# Altium PCB adc_brd_raton_v0.PcbDoc (part 5 of 5)
Units mm, origin at the board's own origin, x right, y up, seen from the top; angles counter-clockwise.
Board outline 276.61 x 128.4 mm, 2 copper layers (Top Layer, Bottom Layer); 535 components, 265 nets, 1345 pads, 548 vias.
Unrouted connection lines stored in the file: 67.
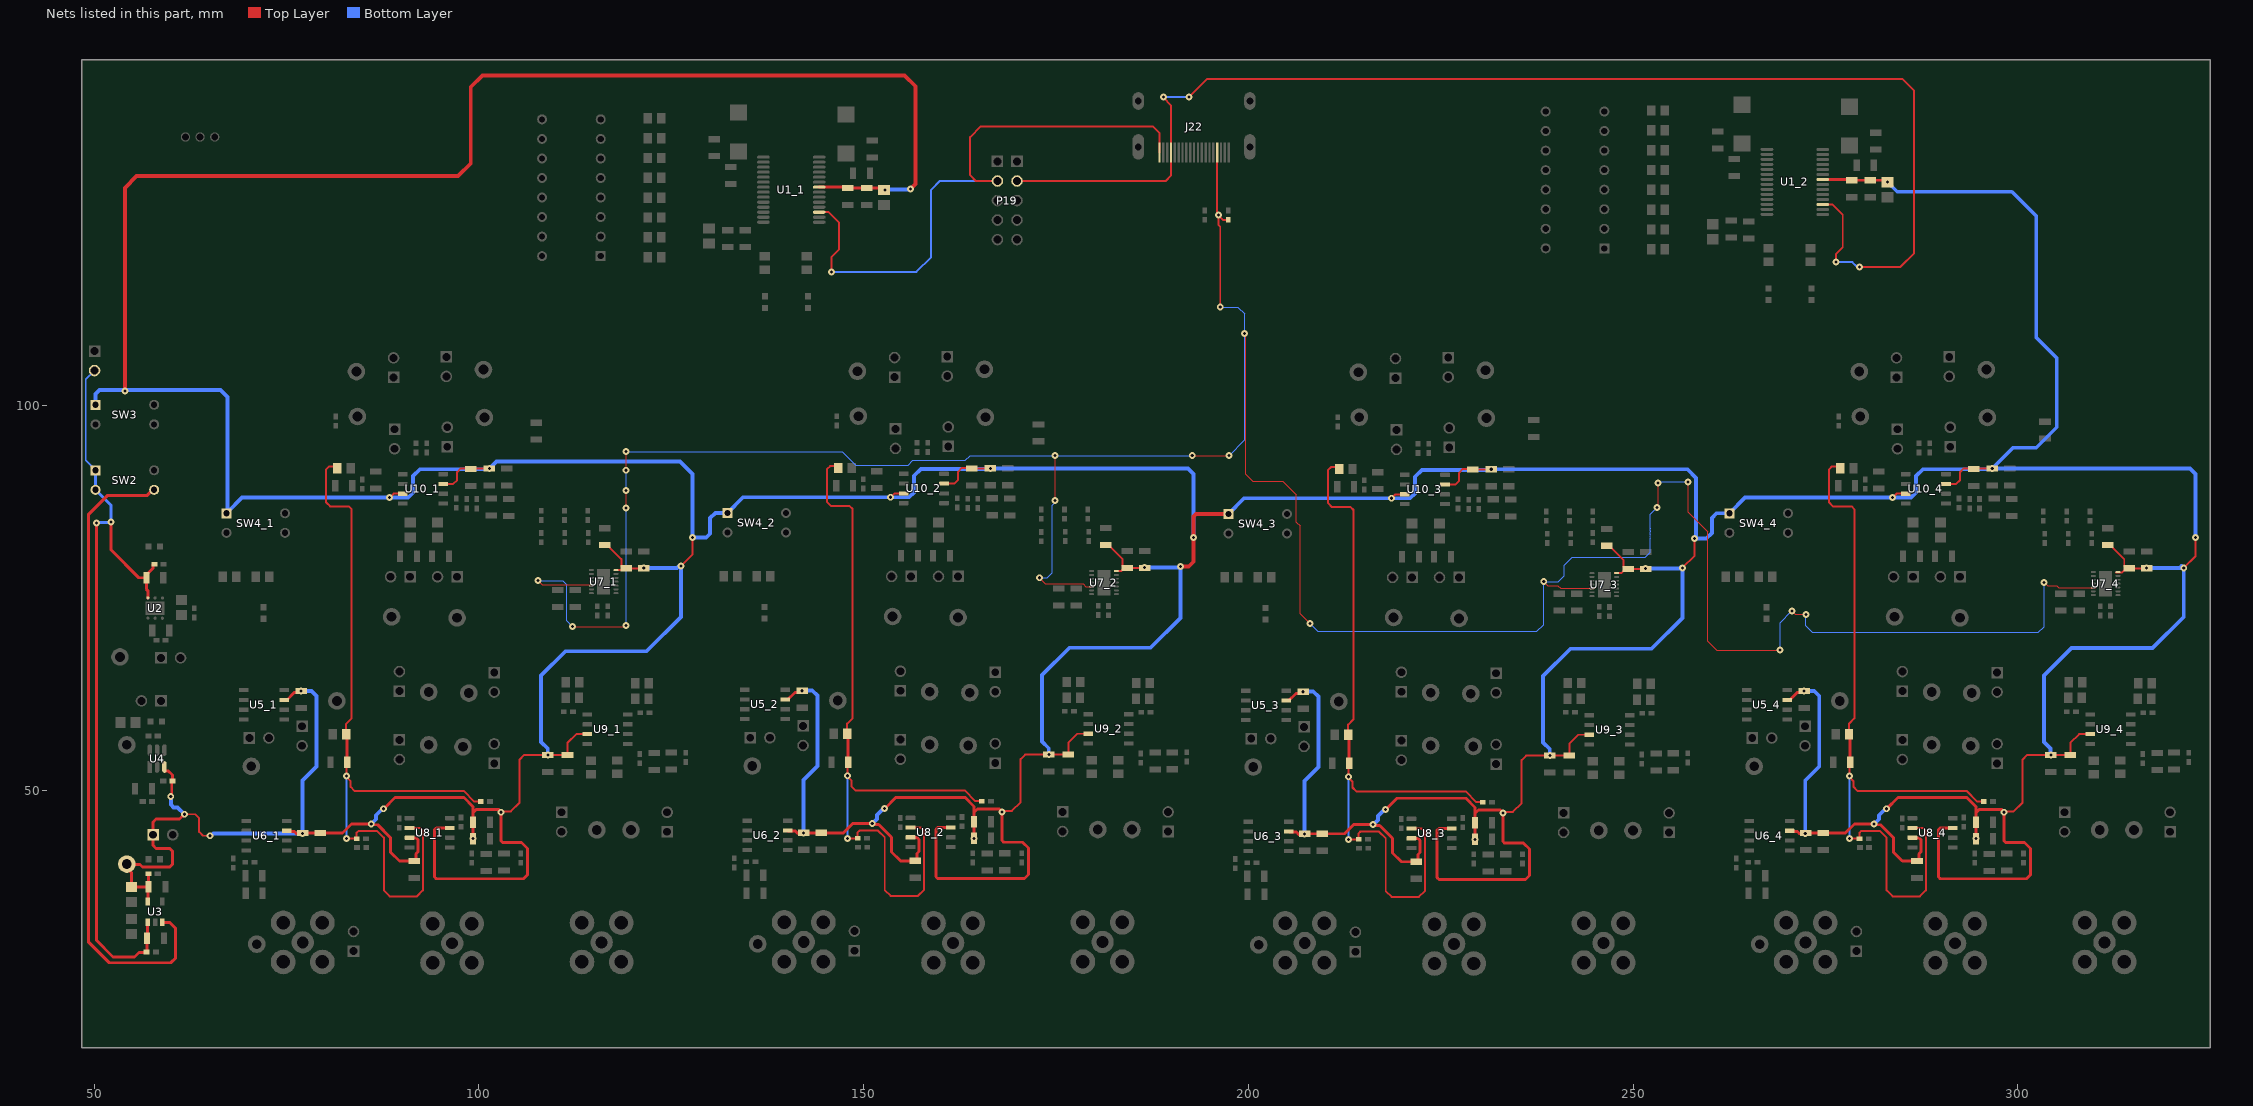
[diagram p5: the nets of this part, all layers, seen from the top]

## Via types
v1: diameter 0.9, hole 0.4, Top Layer to Bottom Layer, tented both sides, 521 vias
v2: diameter 0.9, hole 0.4, Top Layer to Bottom Layer, 23 vias
v3: diameter 6, hole 3.15, Top Layer to Bottom Layer, 4 vias

## Nets (pads, with @x,y where several pads share a name; then routed paths per layer and width w, separated by ;. In a path a pad name is that pad's centre, name@x,y a point inside that pad or via, vN(x,y) a via of type N, cw(c..) or ccw(c..) an arc to the next point about the centre after c; other vN are vias at no path point) (continued)
SDA: J22.16 R82.1 U7_1.5 U7_2.5 U7_3.5 U7_4.5 | length 397.6
  Top Layer w0.152: v1(107.696,77.216) 108.223,76.689 U7_1.5@114.476,76.689 ; v1@112.268,71.12 v1(112.141,71.247) 118.999,71.247 v1(119.126,71.374) v1@119.253,71.501 ; v1(119.126,86.683) v1@119.126,88.9 ; v1(119.126,91.567) v1(119.126,93.98) ; v1(172.847,77.597) 173.609,76.835 178.504,76.835 178.885,76.454 U7_2.5@179.75,76.454 ; v1(174.879,87.63) v1(174.879,93.472) ; v1(192.702,93.472) v1(197.485,93.472) ; v1(199.517,109.347) 199.644,109.22 199.644,91.059 200.533,90.17 204.47,90.17 206.248,88.392 206.248,84.836 206.756,84.328 206.756,72.898 v1(208.026,71.628) ; v1(238.379,77.089) 238.887,76.581 240.218,76.581 240.591,76.208 U7_3.5@244.653,76.208 ; v1(253.111,86.741) 253.238,86.868 v1(253.238,89.916) ; v1(257.154,90.043) 257.154,86.127 259.715,83.566 259.715,69.342 260.858,68.199 v1(269.113,68.199) ; v1(270.637,73.279) 271.082,72.834 v1(272.478,72.834) ; v1(303.403,76.962) 303.489,76.962 303.863,76.588 305.042,76.588 305.303,76.327 U7_4.5@310.102,76.327
  Top Layer w0.254: J22.16@195.937,132.842 195.937,124.854 v1@196.083,124.709 ; v1(196.088,124.714) v1@196.088,124.703 ; v1@196.215,112.649 v1(196.342,112.776) 196.342,123.222 196.088,123.476 v1@196.088,124.703 ; R82.1@197.358,124.114 196.677,124.114 v1@196.088,124.703
  Bottom Layer w0.152: v1(107.696,77.216) 110.871,77.216 111.379,76.708 111.379,72.009 v1(112.141,71.247) ; v1(119.126,71.374) v1(119.126,86.683) ; v1(119.126,91.567) 119.126,88.918 v1(119.135,88.909) ; v1(119.126,93.98) 147.193,93.98 148.971,92.202 155.766,92.202 156.401,92.837 163.195,92.837 163.83,93.472 v1(174.879,93.472) v1(192.702,93.472) ; v1(172.847,77.597) 173.863,77.597 174.498,78.232 174.498,87.051 174.879,87.432 v1(174.879,87.63) ; v1(196.342,112.776) 198.628,112.776 199.517,111.887 v1(199.517,109.347) 199.517,95.504 v1(197.485,93.472) ; v1(208.026,71.628) 209.042,70.612 237.49,70.612 238.379,71.501 v1(238.379,77.089) 240.284,77.089 241.046,77.851 241.046,79.248 242.062,80.264 251.587,80.264 252.222,80.899 252.222,82.706 cw(c252.857,82.946) 252.214,82.729 cw(c252.857,82.946) 252.222,83.185 252.222,83.581 cw(c252.857,83.82) 252.222,84.059 252.222,85.852 v1(253.111,86.741) ; v1(253.238,89.916) 253.365,90.043 v1(257.154,90.043) ; v1(269.113,68.199) 269.113,71.755 v1(270.637,73.279) ; v1@272.542,72.898 v1(272.478,72.834) 272.415,72.771 272.415,71.374 273.304,70.485 302.641,70.485 303.403,71.247 v1(303.403,76.962)
V5: C7_1.1 C7_2.1 C8_1.1 C8_2.1 C9_1.1 C9_2.1 C19.1 C20.1 C21.1 C25_1.1 C25_2.1 C25_3.1 C25_4.1 C31_1.1 C31_2.1 C31_3.1 C31_4.1 C32_1.1 C32_2.1 C32_3.1 C32_4.1 C33_1.1 C33_2.1 C33_3.1 C33_4.1 C34_1.1 C34_2.1 C34_3.1 C34_4.1 C35_1.1 C35_2.1 C35_3.1 C35_4.1 C36_1.1 C36_2.1 C36_3.1 C36_4.1 C39_1.1 C39_2.1 C39_3.1 C39_4.1 C40_1.1 C40_2.1 C40_3.1 C40_4.1 C42_1.1 C42_2.1 C42_3.1 C42_4.1 C43_1.1 C43_2.1 C43_3.1 C43_4.1 C56_1.1 C56_2.1 C56_3.1 C56_4.1 C57_1.2 C57_2.2 C57_3.2 C57_4.2 J1.1 P1.1 R12.2 SW3.1 SW4_1.1 SW4_2.1 SW4_3.1 SW4_4.1 U1_1.22 U1_2.22 U3.5 U4.3 U5_1.7 U5_2.7 U5_3.7 U5_4.7 U6_1.7 U6_2.7 U6_3.7 U6_4.7 U7_1.14 U7_2.14 U7_3.14 U7_4.14 U8_1.3 U8_1.7 U8_2.3 U8_2.7 U8_3.3 U8_3.7 U8_4.3 U8_4.7 U9_1.3 U9_2.3 U9_3.3 U9_4.3 U10_1.3 U10_1.7 U10_2.3 U10_2.7 U10_3.3 U10_3.7 U10_4.3 U10_4.7 | length 1389.9
  Top Layer w0.254: v1(61.722,46.863) 63.119,46.863 63.627,46.355 63.627,44.577 64.135,44.069 v1(65.024,44.069) ; v1(88.392,88.011) 88.9,88.519 U10_1.3@90.085,88.519 ; U10_1.7@95.335,89.789 96.647,89.789 97.155,90.297 97.155,91.313 97.663,91.821 98.847,91.821 C43_1.1@98.933,91.735 98.976,91.778 v1(101.346,91.778) ; v1@102.743,46.99 102.997,47.244 104.14,47.244 105.283,48.387 105.283,53.975 105.875,54.567 v1(108.966,54.567) C39_1.1@111.506,54.567 111.506,56.134 112.649,57.277 U9_1.3@114.088,57.277 ; C57_1.2@116.332,81.831 116.682,81.831 118.503,80.01 118.503,79.099 C36_1.1@118.776,78.826 ; U7_1.14@118.003,78.589 118.539,78.589 C36_1.1@118.776,78.826 ; C35_1.1@121.412,78.826 C36_1.1@119.126,78.826 C36_1.1@118.776,78.826 ; v1(126.238,79.121) 127.762,80.645 v1(127.762,82.804) ; v1(153.501,88.054) 154.009,88.562 U10_2.3@155.194,88.562 ; U10_2.7@160.444,89.832 161.756,89.832 162.264,90.34 162.264,91.356 162.772,91.864 163.956,91.864 C43_2.1@164.042,91.778 164.085,91.821 v1(166.455,91.821) ; v1@167.852,47.033 168.106,47.287 169.249,47.287 170.392,48.43 170.392,54.018 170.984,54.61 v1(174.075,54.61) C39_2.1@176.615,54.61 176.615,56.177 177.758,57.32 U9_2.3@179.197,57.32 ; C57_2.2@181.441,81.874 181.791,81.874 183.612,80.053 183.612,79.142 C36_2.1@183.885,78.869 ; U7_2.14@182.637,78.486 183.502,78.486 C36_2.1@183.885,78.869 ; C35_2.1@186.521,78.869 C36_2.1@184.235,78.869 C36_2.1@183.885,78.869 ; v1(218.609,87.927) 219.117,88.435 U10_3.3@220.302,88.435 ; U10_3.7@225.552,89.705 226.864,89.705 227.372,90.213 227.372,91.229 227.88,91.737 229.064,91.737 C43_3.1@229.15,91.651 229.193,91.694 v1(231.563,91.694) ; v1@232.96,46.906 233.214,47.16 234.357,47.16 235.5,48.303 235.5,53.891 236.092,54.483 v1(239.183,54.483) C39_3.1@241.723,54.483 241.723,56.05 242.866,57.193 U9_3.3@244.305,57.193 ; C57_3.2@246.549,81.747 246.899,81.747 248.72,79.926 248.72,79.015 C36_3.1@248.993,78.742 ; U7_3.14@247.643,78.205 248.456,78.205 C36_3.1@248.993,78.742 ; C35_3.1@251.629,78.742 C36_3.1@249.343,78.742 C36_3.1@248.993,78.742 ; v1(256.413,78.867) 257.979,80.433 v1(257.979,82.72) ; v1(283.718,88.011) 284.226,88.519 U10_4.3@285.411,88.519 ; U10_4.7@290.661,89.789 291.973,89.789 292.481,90.297 292.481,91.313 292.989,91.821 294.173,91.821 C43_4.1@294.259,91.735 294.302,91.778 v1(296.672,91.778) ; v1@298.069,46.99 298.323,47.244 299.466,47.244 300.609,48.387 300.609,53.975 301.201,54.567 v1(304.292,54.567) C39_4.1@306.832,54.567 306.832,56.134 307.975,57.277 U9_4.3@309.414,57.277 ; C57_4.2@311.658,81.831 312.008,81.831 313.829,80.01 313.829,79.099 C36_4.1@314.102,78.826 ; U7_4.14@312.752,78.289 313.565,78.289 C36_4.1@314.102,78.826 ; C35_4.1@316.738,78.826 C36_4.1@314.452,78.826 C36_4.1@314.102,78.826 ; v1(321.564,78.867) 323.088,80.391 v1(323.088,82.804)
  Top Layer w0.381: U3.5@56.962,35.513 57.014,35.565 57.014,37.413 56.984,37.383 R12.2@54.864,37.383 54.864,39.236 54.229,39.871 J1.1@54.229,40.386 54.292,40.322 55.944,40.322 56.261,40.005 59.817,40.005 60.198,40.386 60.198,42.037 59.817,42.418 58.039,42.418 57.658,42.799 P1.1@57.658,44.196 57.658,45.847 58.039,46.228 61.087,46.228 v1(61.722,46.863) ; C19.1@57.058,39.116 57.062,39.112 57.062,37.469 C20.1@57.066,37.465 ; U4.3@59.116,53.002 59.116,52.585 59.203,52.498 59.62,52.498 60.163,51.955 C21.1@60.163,51.181 60.071,51.089 60.071,49.416 59.944,49.289 v1(59.944,49.149) ; U5_1.7@74.685,61.722 75.035,61.722 75.968,62.655 76.676,62.655 v1(76.886,62.865) ; U6_1.7@75.015,44.704 75.099,44.619 76.031,44.619 76.327,44.323 77.005,44.323 v1(77.047,44.365) C33_1.1@77.089,44.407 C31_1.1@79.375,44.407 82.253,44.407 83.439,45.593 v1(86.001,45.593) 86.101,45.494 86.84,45.494 88.519,43.815 88.519,41.91 89.662,40.767 C56_1.1@91.567,40.767 91.611,40.767 91.821,40.977 91.821,41.721 92.075,41.975 92.075,43.552 91.852,43.776 91.013,43.776 U8_1.3@90.974,43.815 ; v1(87.595,47.573) 87.645,47.573 89.094,49.022 98.044,49.022 99.23,47.836 99.23,47.033 ; U8_1.7@96.224,45.085 94.457,45.085 94.234,44.862 94.234,38.704 94.457,38.481 105.791,38.481 106.299,38.989 106.299,42.418 105.537,43.18 103.093,43.18 102.87,43.403 v1(102.87,47.117) ; v1(99.23,43.688) C34_1.1@99.23,45.847 99.23,47.033 ; v1@102.743,46.99 102.743,47.275 102.52,47.498 99.695,47.498 99.23,47.033 ; U5_2.7@139.794,61.765 140.144,61.765 141.077,62.698 141.785,62.698 v1(141.995,62.908) ; U6_2.7@140.124,44.747 140.208,44.662 141.139,44.662 141.436,44.366 142.114,44.366 v1(142.156,44.408) C33_2.1@142.198,44.45 C31_2.1@144.484,44.45 147.362,44.45 148.548,45.636 v1(151.11,45.636) 151.209,45.537 151.949,45.537 153.628,43.858 153.628,41.953 154.771,40.81 C56_2.1@156.676,40.81 156.72,40.81 156.93,41.02 156.93,41.764 157.184,42.018 157.184,43.595 156.96,43.819 156.122,43.819 U8_2.3@156.083,43.858 ; U1_1.22@144.214,128.353 147.491,128.353 147.605,128.239 C7_1.1@150.368,128.239 152.402,128.239 C8_1.1@152.654,127.987 ; v1(152.704,47.616) 152.754,47.616 154.203,49.065 163.153,49.065 164.339,47.879 164.339,47.076 ; U8_2.7@161.333,45.128 159.608,45.128 159.385,44.905 159.385,38.747 159.608,38.524 170.9,38.524 171.408,39.032 171.408,42.461 170.646,43.223 168.202,43.223 167.979,43.446 v1(167.979,47.16) ; v1(164.339,43.731) C34_2.1@164.339,45.89 164.339,47.076 ; v1@167.852,47.033 167.852,47.318 167.628,47.541 164.804,47.541 164.339,47.076 ; U5_3.7@204.902,61.638 205.252,61.638 206.186,62.571 206.894,62.571 v1(207.103,62.781) ; U6_3.7@205.232,44.62 205.317,44.535 206.248,44.535 206.544,44.239 207.222,44.239 v1(207.264,44.281) C33_3.1@207.306,44.323 C31_3.1@209.592,44.323 212.47,44.323 213.656,45.509 v1(216.219,45.509) 216.318,45.41 217.058,45.41 218.736,43.731 218.736,41.826 219.879,40.683 C56_3.1@221.784,40.683 221.829,40.683 222.038,40.893 222.038,41.637 222.292,41.891 222.292,43.468 222.069,43.692 221.231,43.692 U8_3.3@221.191,43.731 ; v1(217.813,47.489) 217.863,47.489 219.311,48.938 228.261,48.938 229.447,47.752 229.447,46.949 ; U8_3.7@226.441,45.001 224.759,45.001 224.536,44.778 224.536,38.62 224.759,38.397 236.008,38.397 236.516,38.905 236.516,42.334 235.754,43.096 233.311,43.096 233.087,43.319 v1(233.087,47.033) ; v1(229.447,43.604) C34_3.1@229.447,45.763 229.447,46.949 ; v1@232.96,46.906 232.96,47.191 232.737,47.414 229.912,47.414 229.447,46.949 ; U5_4.7@270.011,61.722 270.361,61.722 271.294,62.655 272.002,62.655 v1(272.212,62.865) ; U6_4.7@270.341,44.704 270.425,44.619 271.356,44.619 271.653,44.323 272.331,44.323 v1(272.373,44.365) C33_4.1@272.415,44.407 C31_4.1@274.701,44.407 277.579,44.407 278.765,45.593 v1(281.327,45.593) 281.427,45.494 282.166,45.494 283.845,43.815 283.845,41.91 284.988,40.767 C56_4.1@286.893,40.767 286.937,40.767 287.147,40.977 287.147,41.721 287.401,41.975 287.401,43.552 287.178,43.776 286.339,43.776 U8_4.3@286.3,43.815 ; U1_2.22@274.643,129.382 C9_2.1@278.384,129.382 ; C9_2.1@278.384,129.255 C7_2.1@280.797,129.255 282.831,129.255 v1(283.083,129.003) ; v1(282.921,47.573) 282.971,47.573 284.42,49.022 293.37,49.022 294.556,47.836 294.556,47.033 ; U8_4.7@291.55,45.085 289.91,45.085 289.687,44.862 289.687,38.704 289.91,38.481 301.117,38.481 301.625,38.989 301.625,42.418 300.863,43.18 298.419,43.18 298.196,43.403 v1(298.196,47.117) ; v1(294.556,43.688) C34_4.1@294.556,45.847 294.556,47.033 ; v1@298.069,46.99 298.069,47.275 297.846,47.498 295.021,47.498 294.556,47.033
  Top Layer w0.508: v1(53.975,101.854) 53.975,128.27 55.499,129.794 97.282,129.794 98.933,131.445 98.933,141.351 100.457,142.875 155.321,142.875 156.718,141.478 156.718,128.778 v1(156.083,128.143) ; v1(191.172,79.048) 192.247,79.048 192.871,79.672 v1(192.871,82.847) 192.871,85.556 193.21,85.895 SW4_3.1@197.4,85.895
  Bottom Layer w0.381: v1@87.451,47.573 v1(87.595,47.573) ; v1@152.56,47.616 v1(152.704,47.616) ; v1@217.669,47.489 v1(217.813,47.489) ; v1@282.777,47.573 v1(282.921,47.573)
  Bottom Layer w0.508: SW3.1@50.165,100.076 50.165,101.473 50.673,101.981 66.421,101.981 67.31,101.092 SW4_1.1@67.31,86.106 ; v1(59.944,49.149) 59.95,49.143 59.95,48.127 60.325,47.752 60.833,47.752 v1(61.722,46.863) ; v1(65.024,44.069) 65.199,44.069 65.495,44.365 v1(77.047,44.365) 77.047,51.266 78.867,53.086 78.867,62.23 78.21,62.887 76.908,62.887 v1(76.886,62.865) ; SW4_1.1@67.183,85.979 SW4_1.1@67.31,86.106 ; v1(86.001,45.593) 86.614,46.206 86.614,46.736 v1@87.451,47.573 ; v1(108.966,54.567) 108.94,54.593 108.94,55.398 108.077,56.261 108.077,64.897 111.226,68.046 121.782,68.046 126.238,72.503 v1(126.238,79.121) ; v1(121.412,78.867) 125.73,78.867 v1@125.966,79.103 ; v1(141.995,62.908) 142.016,62.93 143.319,62.93 143.976,62.273 143.976,53.129 142.156,51.309 v1(142.156,44.408) ; v1(151.11,45.636) 151.723,46.249 151.723,46.779 v1@152.56,47.616 ; v1(152.781,128.016) 152.844,128.079 156.019,128.079 v1(156.083,128.143) ; v1@166.371,91.737 157.438,91.737 156.549,90.848 156.549,88.689 155.914,88.054 v1(153.501,88.054) 134.324,88.054 SW4_2.1@132.292,86.022 130.726,86.022 130.048,85.344 130.048,83.312 129.54,82.804 v1(127.762,82.804) 127.762,91.059 126.111,92.71 102.278,92.71 101.262,91.694 92.329,91.694 91.44,90.805 91.44,88.646 90.805,88.011 v1(88.392,88.011) 69.215,88.011 SW4_1.1@67.31,86.106 ; v1(166.455,91.821) 192.152,91.821 192.871,91.102 v1(192.871,82.847) ; v1(174.075,54.61) 174.049,54.636 174.049,55.441 173.186,56.304 173.186,64.94 176.742,68.496 187.297,68.496 191.172,72.371 v1(191.172,79.048) ; v1(186.521,78.91) 190.839,78.91 v1@191.074,79.146 ; SW4_3.1@197.4,85.895 199.432,87.927 v1(218.609,87.927) 221.022,87.927 221.657,88.562 221.657,90.721 222.546,91.61 v1@231.479,91.61 ; v1(207.103,62.781) 207.125,62.803 208.428,62.803 209.084,62.146 209.084,53.002 207.264,51.182 v1(207.264,44.281) ; v1(216.219,45.509) 216.831,46.122 216.831,46.652 v1@217.669,47.489 ; v1(231.563,91.694) 257.048,91.694 258.191,90.551 258.191,83.038 257.979,82.826 v1(257.979,82.72) 258.191,82.72 259.504,82.72 260.223,83.439 260.223,85.344 260.858,85.979 SW4_4.1@262.509,85.979 264.541,88.011 v1(283.718,88.011) 286.131,88.011 286.766,88.646 286.766,90.805 287.655,91.694 v1@296.588,91.694 ; v1(239.183,54.483) 239.157,54.509 239.157,55.314 238.294,56.177 238.294,64.813 241.85,68.369 252.406,68.369 256.413,72.376 v1(256.413,78.867) ; v1(251.629,78.783) 255.947,78.783 v1@256.183,79.019 ; v1(272.212,62.865) 272.234,62.887 273.536,62.887 274.193,62.23 274.193,53.086 272.373,51.266 v1(272.373,44.365) ; v1(281.327,45.593) 281.94,46.206 281.94,46.736 v1@282.777,47.573 ; v1(283.083,129.003) 284.324,127.762 299.212,127.762 302.387,124.587 302.387,108.839 305.054,106.172 305.054,97.155 302.387,94.488 299.382,94.488 v1(296.672,91.778) 322.369,91.778 323.088,91.059 v1(323.088,82.804) ; v1(304.292,54.567) 304.266,54.593 304.266,55.398 303.403,56.261 303.403,64.897 306.959,68.453 317.514,68.453 321.564,72.503 v1(321.564,78.867) ; v1(316.738,78.867) 321.056,78.867 v1@321.292,79.103
V5_EN: SW2.3 U3.3 | length 84
  Top Layer w0.381: SW2.3@57.785,89.027 57.582,89.027 56.82,88.265 51.689,88.265 49.276,85.852 49.276,30.226 51.943,27.559 59.944,27.559 60.579,28.194 60.579,32.004 59.77,32.813 U3.3@58.862,32.813
VIN: C13.1 C16.1 C17.1 C18.1 P20.2 SW2.1 SW2.2 U2.6 U3.1 | length 104
  Top Layer w0.381: v1(50.292,84.709) 50.292,30.48 52.451,28.321 55.245,28.321 55.832,28.908 56.757,28.908 C17.1@56.804,28.956 56.83,28.981 56.83,30.709 C18.1@56.855,30.734 56.908,30.788 56.908,32.76 U3.1@56.962,32.813 ; v1(52.197,84.836) 52.197,81.197 55.797,77.597 C16.1@56.769,77.597 ; U2.6@56.962,74.981 56.962,75.916 56.769,76.109 C16.1@56.769,77.597 ; C13.1@57.82,79.375 57.72,79.375 57.61,79.266 57.61,78.788 56.769,77.947 C16.1@56.769,77.597
  Bottom Layer w0.254: P20.2@50.038,104.521 48.895,103.378 48.895,92.837 SW2.1@50.165,91.567
  Bottom Layer w0.381: SW2.1@50.165,91.567 SW2.2@50.165,89.027 52.197,86.995 v1(52.197,84.836) 52.133,84.772 50.355,84.772 v1(50.292,84.709)
VOCM_1: C26_1.1 R15_1.2 R18_1.1 R36_1.1 R73_1.2 U8_1.2 | length 100.5
  Top Layer w0.254: R36_1.1@81.562,91.821 81.308,92.075 80.518,92.075 80.137,91.694 80.137,87.376 80.645,86.868 83.058,86.868 83.439,86.487 83.439,59.309 82.728,58.598 R15_1.2@82.728,57.277 ; v1@82.804,43.688 R18_1.1@84.109,43.688 84.109,44.463 84.35,44.704 86.741,44.704 87.63,43.815 87.63,36.957 88.392,36.195 91.948,36.195 92.71,36.957 92.71,44.704 92.329,45.085 U8_1.2@90.974,45.085 ; C26_1.1@82.855,53.71 82.804,53.659 v1(82.804,51.816) 82.804,51.657 83.312,51.149 83.312,50.419 83.82,49.911 98.001,49.911 99.398,48.514 R73_1.2@100.238,48.514
  Top Layer w0.381: R15_1.2@82.728,57.277 82.855,57.15 C26_1.1@82.855,53.71
  Bottom Layer w0.254: v1(82.769,43.684) 82.804,43.719 v1(82.804,51.816)
VOCM_2: C26_2.1 R15_2.2 R18_2.1 R36_2.1 R73_2.2 U8_2.2 | length 100.5
  Top Layer w0.254: R36_2.1@146.671,91.864 146.417,92.118 145.627,92.118 145.246,91.737 145.246,87.419 145.754,86.911 148.167,86.911 148.548,86.53 148.548,59.352 147.837,58.641 R15_2.2@147.837,57.32 ; v1@147.913,43.731 R18_2.1@149.218,43.731 149.218,44.506 149.458,44.747 151.85,44.747 152.739,43.858 152.739,37 153.501,36.238 157.057,36.238 157.819,37 157.819,44.747 157.438,45.128 U8_2.2@156.083,45.128 ; C26_2.1@147.964,53.753 147.913,53.702 v1(147.913,51.859) 147.913,51.7 148.421,51.192 148.421,50.462 148.929,49.954 163.11,49.954 164.507,48.557 R73_2.2@165.347,48.557
  Top Layer w0.381: R15_2.2@147.837,57.32 147.964,57.193 C26_2.1@147.964,53.753
  Bottom Layer w0.254: v1(147.878,43.727) 147.913,43.762 v1(147.913,51.859)
VOCM_3: C26_3.1 R15_3.2 R18_3.1 R36_3.1 R73_3.2 U8_3.2 | length 100.5
  Top Layer w0.254: R36_3.1@211.779,91.737 211.525,91.991 210.735,91.991 210.354,91.61 210.354,87.292 210.862,86.784 213.275,86.784 213.656,86.403 213.656,59.225 212.945,58.514 R15_3.2@212.945,57.193 ; v1@213.021,43.604 R18_3.1@214.326,43.604 214.326,44.379 214.567,44.62 216.958,44.62 217.847,43.731 217.847,36.873 218.609,36.111 222.165,36.111 222.927,36.873 222.927,44.62 222.546,45.001 U8_3.2@221.191,45.001 ; C26_3.1@213.072,53.626 213.021,53.575 v1(213.021,51.732) 213.021,51.573 213.529,51.065 213.529,50.335 214.037,49.827 228.218,49.827 229.615,48.43 R73_3.2@230.455,48.43
  Top Layer w0.381: R15_3.2@212.945,57.193 213.072,57.066 C26_3.1@213.072,53.626
  Bottom Layer w0.254: v1(212.986,43.6) 213.021,43.635 v1(213.021,51.732)
VOCM_4: C26_4.1 R15_4.2 R18_4.1 R36_4.1 R73_4.2 U8_4.2 | length 100.5
  Top Layer w0.254: R36_4.1@276.888,91.821 276.634,92.075 275.844,92.075 275.463,91.694 275.463,87.376 275.971,86.868 278.384,86.868 278.765,86.487 278.765,59.309 278.054,58.598 R15_4.2@278.054,57.277 ; v1@278.13,43.688 R18_4.1@279.435,43.688 279.435,44.463 279.676,44.704 282.067,44.704 282.956,43.815 282.956,36.957 283.718,36.195 287.274,36.195 288.036,36.957 288.036,44.704 287.655,45.085 U8_4.2@286.3,45.085 ; C26_4.1@278.181,53.71 278.13,53.659 v1(278.13,51.816) 278.13,51.657 278.638,51.149 278.638,50.419 279.146,49.911 293.327,49.911 294.724,48.514 R73_4.2@295.564,48.514
  Top Layer w0.381: R15_4.2@278.054,57.277 278.181,57.15 C26_4.1@278.181,53.71
  Bottom Layer w0.254: v1(278.095,43.684) 278.13,43.719 v1(278.13,51.816)
WCLK_1: J22.1 P19.3 U1_1.17 | length 78.5
  Top Layer w0.254: U1_1.17@144.214,125.103 145.459,125.103 146.812,123.75 146.812,120.269 145.796,119.253 v1(145.796,117.348) ; P19.3@167.386,129.159 164.592,129.159 163.83,129.921 163.83,134.874 165.227,136.271 187.579,136.271 188.437,135.413 J22.1@188.437,132.842
  Bottom Layer w0.254: v1(145.796,117.348) 156.845,117.348 158.75,119.253 158.75,128.016 159.893,129.159 P19.3@167.386,129.159
WCLK_2: J22.4 P19.4 U1_2.17 | length 171.9
  Top Layer w0.254: P19.4@169.926,129.159 189.23,129.159 189.937,129.866 J22.4@189.937,132.842 189.937,138.993 188.976,139.954 v1(188.976,140.081) ; v1@192.323,140.126 194.589,142.392 285.029,142.392 286.512,140.91 286.512,119.761 284.734,117.983 v1(279.4,117.983) ; U1_2.17@274.643,126.119 275.888,126.119 277.241,124.766 277.241,120.523 276.352,119.634 v1(276.352,118.618)
  Bottom Layer w0.254: v1(188.976,140.081) v1(192.278,140.081) ; v1(276.352,118.618) 278.495,118.618 279.13,117.983 v1(279.4,117.983)
pads on no net: J22. J22.10 J22.11 J22.12 J22.13 J22.14 J23.1 J24.1 J25.1 R78_1.2 R78_2.2 R78_3.2 R78_4.2 U3.4 U5_1.1 U5_1.5 U5_1.8 U5_2.1 U5_2.5 U5_2.8 U5_3.1 U5_3.5 U5_3.8 U5_4.1 U5_4.5 U5_4.8 U6_1.1 U6_1.5 U6_1.8 U6_2.1 U6_2.5 U6_2.8 U6_3.1 U6_3.5 U6_3.8 U6_4.1 U6_4.5 U6_4.8 U7_1.10 U7_2.10 U7_3.10 U7_4.10
copper on no net: | length 18.1
  Top Layer w0.254: v1(256.395,84.7) 256.395,87.231 v1(256.413,87.249)
  Bottom Layer w0.254: v1(281.559,81.026) 281.623,81.09 296.989,81.09 v1(297.053,81.153)
  other v1: 90.932,31.242 179.324,70.612 108.585,71.374 171.704,73.914 73.787,75.311 236.855,75.438 70.612,76.2 76.327,78.232 82.423,78.613 112.141,80.518 267.208,80.518 109.22,80.645 114.427,80.645 236.347,81.534 258.826,81.661 300.863,81.661 268.859,81.915 252.857,83.82 251.079,84.201 275.209,84.328 177.8,84.582 109.474,86.995 172.111,87.61 110.998,90.297 172.72,90.424 110.871,93.599 244.729,93.853 240.284,97.028 174.244,100.203 240.157,103.759 111.252,105.029 173.101,105.664 109.093,106.68 239.649,106.68 237.109,111.379 173.101,111.506 110.871,112.522
  other v2: 205,120 215,120 225,120 265,120 110,130 120,130 180,130 200,130 210,130 220,130 230,130
  other v3: 53.387,21.51 319.993,21.51 53.387,139.907 319.993,139.907

## Polygon pours and split planes (outlines as drawn)
DGND on Bottom Layer "DGND_L02_P038" (solid, pour order 38): 48.387,144.907 48.387,16.51 324.993,16.51 324.993,144.907
DGND on Top Layer "DGND_L01_P036" (solid, pour order 36): 48.387,144.907 48.387,16.51 324.993,16.51 324.993,144.907

## Silkscreen, mask and mechanical layers (free items; w line width, h text height)
Top Overlay:
  circle w0.254: c61.214,139.827 r1.778
  circle w0.254: c60.452,140.335 r1.778
  circle w0.254: c104.14,53.34 r0.359
  circle w0.254: c72.822,54.864 r0.359
  circle w0.254: c77.013,53.721 r0.359
  circle w0.254: c83.693,26.924 r0.359
  lines w0.254: 50.673,56.007 50.673,47.244 53.594,47.244 ; 50.673,73.152 50.673,64.389 53.594,64.389 ; 50.927,35.687 50.927,26.924 53.848,26.924 ; 56.896,63.119 56.896,65.405 ; 58.42,45.72 58.42,48.006 ; 59.055,90.043 59.055,88.519 64.516,88.519 ; 59.055,92.583 59.055,91.059 64.389,91.059 ; 59.055,98.552 59.055,97.028 63.5,97.028 ; 59.055,101.092 59.055,99.568 63.5,99.568 ; 59.182,63.119 59.182,65.405 ; 60.706,45.72 60.706,48.006 ; 65.278,88.773 65.278,90.551 76.835,90.551 ; 66.853,64.135 66.853,65.913 78.41,65.913 ; 67.183,47.498 67.183,49.276 74.93,49.276 ; 76.073,84.455 76.073,82.931 78.486,82.931 ; 76.073,86.995 76.073,85.471 78.359,85.471 ; 77.597,109.093 77.597,110.871 89.154,110.871 ; 82.677,68.961 84.455,68.961 84.455,70.739 ; 83.312,51.562 85.09,51.562 85.09,53.34 ; 102.616,118.122 107.315,118.122 107.315,120.027 ; 102.616,120.662 107.315,120.662 107.315,122.567 ; 102.616,123.202 107.315,123.202 107.315,125.107 ; 102.616,125.996 107.315,125.996 107.315,127.901 ; 102.616,128.282 107.315,128.282 107.315,130.187 ; 102.616,130.822 107.315,130.822 107.315,132.727 ; 102.616,133.362 107.315,133.362 107.315,135.267 ; 102.616,135.902 107.315,135.902 107.315,137.807 ; 104.013,69.469 105.791,69.469 105.791,71.247 ; 105.41,87.122 105.41,88.9 116.967,88.9 ; 105.664,64.135 105.664,65.913 117.221,65.913 ; 105.791,34.417 107.569,34.417 107.569,36.195 ; 124.714,69.088 126.492,69.088 126.492,70.866 ; 126.111,42.291 127.889,42.291 127.889,44.069 ; 160.274,120.269 165.354,120.269 165.354,122.047 ; 160.274,122.809 165.354,122.809 165.354,124.587 ; 160.274,125.349 165.354,125.349 165.354,127.127 ; 160.274,127.889 165.354,127.889 165.354,129.667 ; 160.274,130.429 165.354,130.429 165.354,132.207 ; 171.958,122.047 171.958,120.269 177.038,120.269 ; 171.958,124.587 171.958,122.809 177.038,122.809 ; 171.958,127.127 171.958,125.349 177.038,125.349 ; 171.958,129.667 171.958,127.889 177.038,127.889 ; 171.958,132.207 171.958,130.429 177.038,130.429 ; 233.045,119.138 237.744,119.138 237.744,121.043 ; 233.045,121.678 237.744,121.678 237.744,123.583 ; 233.045,124.218 237.744,124.218 237.744,126.123 ; 233.045,127.012 237.744,127.012 237.744,128.917 ; 233.045,129.298 237.744,129.298 237.744,131.203 ; 233.045,131.838 237.744,131.838 237.744,133.743 ; 233.045,134.378 237.744,134.378 237.744,136.283 ; 233.045,136.918 237.744,136.918 237.744,138.823
  text "RATON" at 63.627,140.737 h1.52
  text "adc_brd_v0" at 63.627,139.463 h1.52
  text "callus" at 63.627,138.065 h1.52
  text "RST'" at 233.045,137.316 h1.52
  text "RST'" at 102.616,136.3 h1.52
  text "Board No." at 61.087,135.906 h1.52
  text "FMT0" at 233.045,134.776 h1.52
  text "FMT0" at 102.616,133.76 h1.52
  text "FMT1" at 233.045,132.219 h1.52
  text "FMT1" at 102.616,131.203 h1.52
  text "SCLK1" at 160.782,130.954 h1.52
  text "SCLK2" at 172.466,130.954 h1.52
  text "S/M'" at 233.045,129.696 h1.52
  text "S/M'" at 102.616,128.68 h1.52
  text "WCLK1" at 160.655,128.414 h1.52
  text "WCLK2" at 172.466,128.414 h1.52
  text "FS0" at 233.045,127.41 h1.52
  text "FS0" at 102.616,126.394 h1.52
  text "BCLK1" at 160.782,125.874 h1.52
  text "BCLK2" at 172.466,125.874 h1.52
  text "FS1" at 233.045,124.616 h1.52
  text "FS1" at 102.616,123.6 h1.52
  text "DATA1" at 160.782,123.317 h1.52
  text "DATA2" at 172.466,123.317 h1.52
  text "FS2" at 233.045,122.076 h1.52
  text "FS2" at 102.616,121.06 h1.52
  text "DGND" at 160.782,120.794 h1.52
  text "DGND" at 172.466,120.794 h1.52
  text "HPFD+" at 233.045,119.519 h1.52
  text "HPFD+" at 102.616,118.503 h1.52
  text "Filter" at 77.47,111.141 h1.52
  text "-5V EN" at 59.309,99.839 h1.52
  text "-5V/AG" at 59.309,97.299 h1.52
  text "-3V3 EN" at 59.309,91.33 h1.52
  text "Gain Control" at 65.151,90.822 h1.52
  text "Programmable Gain" at 105.41,89.313 h1.52
  text "5V EN" at 59.309,88.79 h1.52
  text "A0" at 172.339,87.647 h1.52
  text "A1" at 175.221,87.667 h1.52
  text "A2" at 178.269,87.667 h1.52
  text "A0" at 107.315,87.393 h1.52
  text "A1" at 110.197,87.413 h1.52
  text "A2" at 113.245,87.413 h1.52
  text "A0" at 237.998,87.393 h1.52
  text "A1" at 240.88,87.413 h1.52
  text "A2" at 243.928,87.413 h1.52
  text "A0" at 302.514,87.266 h1.52
  text "A1" at 305.396,87.286 h1.52
  text "A2" at 308.444,87.286 h1.52
  text "FG" at 76.327,85.742 h1.52
  text "VG" at 76.328,83.202 h1.52
  text "FG ON" at 69.85,69.105 h1.52
  text "VCOM Buffer" at 66.295,66.565 h1.52
  text "Fixed Gain" at 106.553,66.438 h1.52
  text "OP" at 81.661,65.422 h1.52
  text "Power 3V3" at 50.275,64.262 h1.52 r90
  text "AG" at 56.498,63.246 h1.52 r90
  text "-V5" at 58.911,63.119 h1.52 r90
  text "IP" at 67.234,52.832 h1.52
  text "P" at 93.091,52.832 h1.52
  text "N" at 98.171,52.705 h1.52
  text "Single to Diff" at 67.183,49.816 h1.52
  text "Power -V5" at 50.275,47.117 h1.52 r90
  text "V5" at 58.022,45.848 h1.52 r90
  text "AG" at 60.435,45.72 h1.52 r90
  text "V5" at 52.815,41.53 h1.52 r90
  text "Power V5" at 50.529,26.797 h1.52 r90
  text "IP" at 70.358,26.67 h1.52
  text "Unbalanced" at 136.229,23.312 h2.5
  text "Balanced N" at 175.065,23.309 h2.5
  text "Unbalanced" at 71.12,23.269 h2.5
  text "Balanced N" at 109.957,23.266 h2.5
  text "Unbalanced" at 266.446,23.269 h2.5
  text "Balanced N" at 305.283,23.266 h2.5
  text "Balanced P" at 155.647,23.195 h2.5
  text "Unbalanced" at 201.337,23.185 h2.5
  text "Balanced N" at 240.174,23.182 h2.5
  text "Balanced P" at 90.538,23.152 h2.5
  text "Balanced P" at 285.864,23.152 h2.5
  text "Balanced P" at 220.756,23.068 h2.5
  text "CHANNEL 2" at 154.009,17.354 h3.5
  text "CHANNEL 1" at 88.9,17.311 h3.5
  text "CHANNEL 4" at 284.226,17.311 h3.5
  text "CHANNEL 3" at 219.117,17.23 h3.5
Outline:
  the board outline again, w0.2
Top 3D Body (Mech13):
  the board outline again, w0.254

## Text inside footprints (layer, text, board x,y; h text height)
P19: Top Overlay "1." at 164.611,131.249 h1.52; Top Overlay "2." at 171.861,131.249 h1.52; Top Overlay "9." at 164.611,121.099 h1.52; Top Overlay "10." at 171.861,121.089 h1.52